# KiCad board cynthion.kicad_pcb (continued)
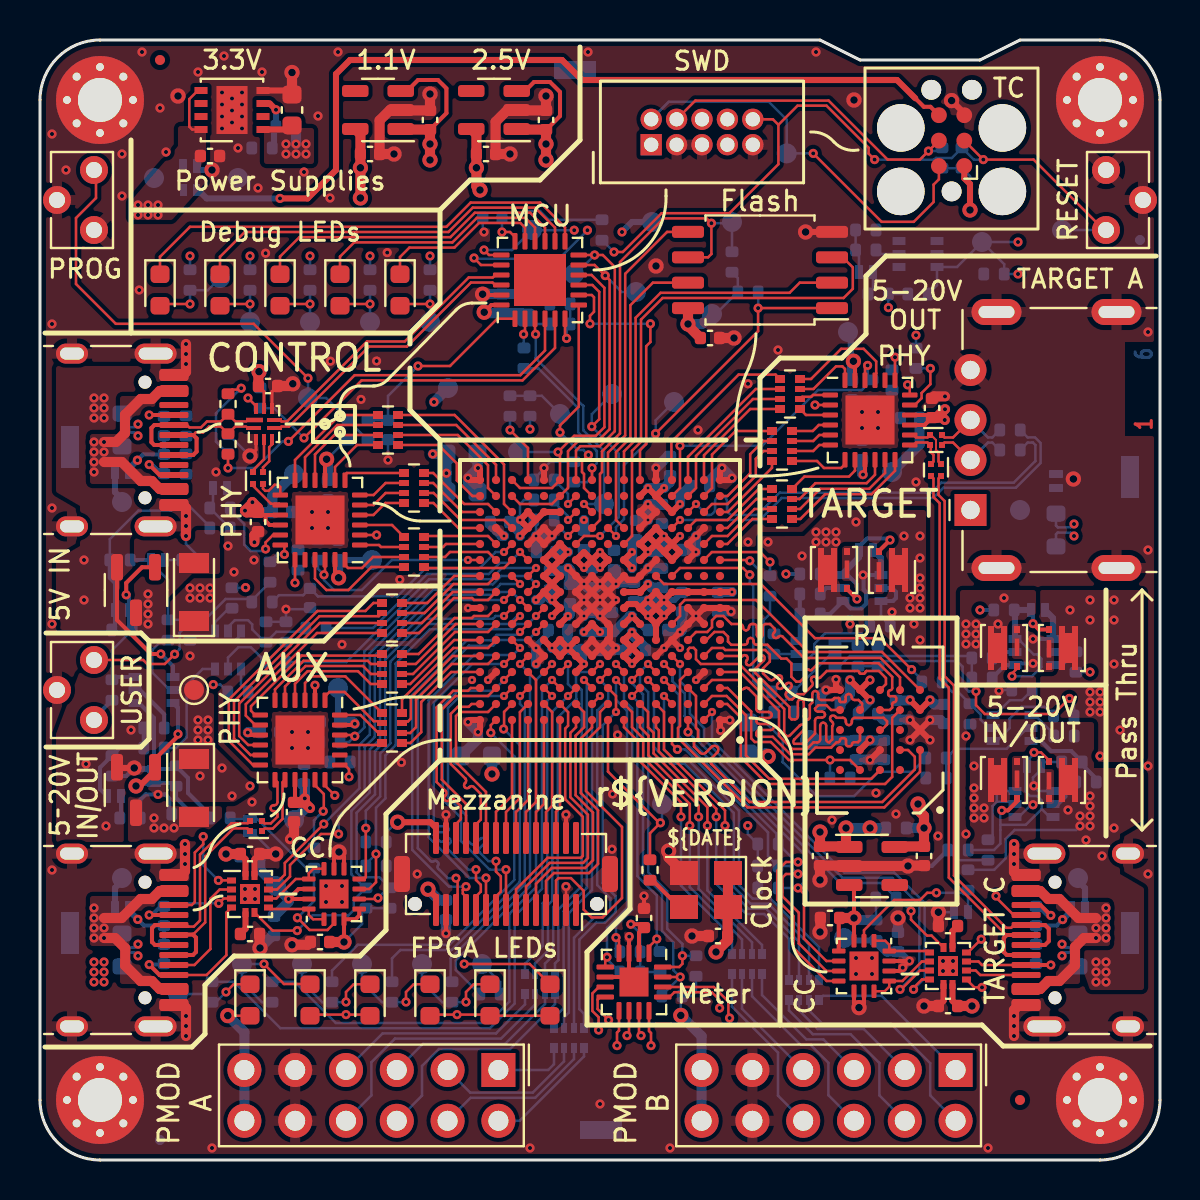
[diagram p0: board, top side]
## Routing (per net, layer and track width the routed paths; a pad name or vN(x,y) marks a point on that pad's centre or on a via; arc(x,y) is an arc through that point) (continued)
  Bottom w0.305: TP34.1 4.1,13.96 3.75,13.61 D25.1
  vias: v1(2.7,12.6) v1(2.7,12.1) v1(2.7,11.6) v1(2.7,11.1) v1(3.2,11.6)
AUX_VBUS_IN: length 11.5
  Top w0.305: v3(4.71,19.6) 3.89,19.6 Q12.2
  Bottom w0.203: R44.2 8.49,17.26 7.4,18.35 7.4,19.1 6.8,19.7 R75.1 6.64,19.55 D20.1 5.7,22.1 4.95,22.85 Q10.4 ; R74.1 4.31,19.2 v3(4.71,19.6)
  Bottom w0.305: 4.8,19.6 v3(4.71,19.6) 4.76,19.55 D20.1
  vias: v1(2.3,19.8) v1(2.7,9.9) v1(2.7,9.4) v1(2.7,8.9) v1(3.2,9.9) v1(3.2,9.4) v1(3.2,8.9) v1(3.3,16.7) v1(4.55,21.5) v1(51.5,27.5) v1(52.5,28) v1(52.5,27) v1(52.5,23.4) v1(52.5,22.9) v1(52.5,22.4) v1(53,23.4) v1(53,22.9) v1(53,22.4) v1(53,20.2) v1(53.7,28) v1(53.7,27) v1(53.7,24.8) v1(54,21.5)
CONTROL_SENSE+: length 59.9
  Top w0.127: v1(29.35,6.22) 29.45,6.32 U1.10
  In2.Cu w0.127: v1(4.9,36.21) 4.73,36.37 4.35,36.37 4.13,36.15 4.13,34.75 2.93,33.55 2.93,26.95 4.13,25.75 4.13,6.78 5.49,5.42 8.82,5.42 9.44,6.04 28.52,6.04 28.7,6.22 v1(29.35,6.22)
  Bottom w0.127: v1(4.9,36.21) 4.73,36.37 4.2,36.37 4.1,36.27 R1.2
CONTROL_SENSE-: length 60.7
  Top w0.127: v1(28.85,5.72) 28.85,6.37 28.95,6.47 U1.9
  In2.Cu w0.127: v1(4.9,36.79) 4.73,36.63 4.25,36.63 3.87,36.25 3.87,34.85 2.67,33.65 2.67,26.85 3.87,25.65 3.87,6.68 5.39,5.16 8.92,5.16 9.54,5.78 28.79,5.78 v1(28.85,5.72)
  Bottom w0.127: v1(4.9,36.79) 4.75,36.64 4.18,36.64 4.1,36.72 R1.3
CONTROL_VBUS: length 10.8
  Top w0.508: 3.2,34.9 4.09,34.9 5.04,33.95 5.59,33.95 5.99,33.55 J2.A9 ; J2.A4 5.99,38.45 5.59,38.05 5.04,38.05 4.25,37.26 4.25,36.35 3.8,35.9 v1(3.2,35.9)
  Bottom w0.305: TP16.1 4.1,33.04 3.75,33.39 D23.1
  vias: v1(2.7,35.9) v1(2.7,35.4) v1(2.7,34.9) v1(2.7,34.4) v1(3.2,35.4)
CONTROL_VBUS_IN: length 17.8
  Top w0.203: Q9.2 3.85,27 5.55,25.3 v1(6.04,25.3)
  Bottom w0.127: R67.1 3.49,31.04 4.92,32.47 6.56,32.47 6.77,32.68 7.48,32.68 8.49,31.67 R46.2
  Bottom w0.203: R67.1 3.49,29.11 3.75,28.85 D16.1 3.75,26.66 R68.1 ; v1(6.04,25.3) 6.65,24.69 Q10.1
  vias: v1(2.2,30) v1(2.2,28) v1(2.7,38.1) v1(2.7,37.6) v1(2.7,37.1) v1(3.2,38.1) v1(3.2,37.6) v1(3.2,37.1) v1(36.4,30.9) v1(38.1,30.2) v1(38.8,31.4) v1(38.8,30.9) v1(39.3,31.4) v1(39.3,30.9) v1(39.8,31.4) v1(39.8,30.9) v1(40.8,31.9)
TARGET_A_SENSE+: length 51.3
  Top w0.127: v1(30.05,6.22) 29.95,6.32 U1.11
  In2.Cu w0.127: v1(30.05,6.22) 30.7,6.22 30.88,6.04 46.97,6.04 47.55,5.46 50.54,5.46 51.56,6.48 51.56,16.13 50.71,16.98 50.71,31.4 51.04,31.73 51.63,31.73 v1(51.7,31.8)
  Bottom w0.127: R2.3 50.8,31.72 50.89,31.63 51.53,31.63 v1(51.7,31.8)
TARGET_A_SENSE-: length 51.3
  Top w0.127: v1(30.55,5.72) 30.55,6.35 30.45,6.45 U1.12
  In2.Cu w0.127: v1(51.7,31.2) 51.43,31.47 51.14,31.47 50.97,31.3 50.97,17.1 51.82,16.25 51.82,6.38 50.64,5.2 47.45,5.2 46.87,5.78 30.61,5.78 v1(30.55,5.72)
  Bottom w0.127: v1(51.7,31.2) 51.53,31.37 50.88,31.37 50.8,31.29 R2.2
TARGET_A_VBUS_IN: length 0.7
  Bottom w0.127: v1(47.95,23.46) 47.99,23.5 R49.1
  vias: v1(42.6,27.4) v1(43.2,31.2) v1(43.5,28.1) v1(43.5,27.6) v1(43.7,26.8) v1(44,31.2) v1(44,30.1) v1(44,29.1) v1(44,28.6) v1(44,28.1) v1(44,27.6) v1(44,26) v1(46.3,26.8) v1(46.3,26.3) v1(46.3,25.8) v1(46.7,19.7) v1(46.7,18.6) v1(46.7,18.1) v1(46.7,17.6) v1(46.7,17.1) v1(46.8,26.8) v1(46.8,26.3) v1(46.8,25.8) v1(47.2,17.6) v1(47.2,17.1) v1(47.9,26.8) v1(48.2,28.1)
TARGET_C_SENSE+: length 23.9
  Top w0.127: U1.13 31.48,8.15 31.72,8.39 33.59,8.39 33.98,8 v1(33.98,7.6)
  In2.Cu w0.127: v1(33.98,7.6) 34.74,7.6 35.68,6.66 46.46,6.66 50.43,10.63 50.93,10.63 v1(51.1,10.79)
  Bottom w0.127: v1(51.1,10.79) 51.27,10.63 51.8,10.63 51.9,10.73 R59.3
TARGET_C_SENSE-: length 24.3
  Top w0.127: v1(34.48,7.1) 34.42,7.16 34.42,7.92 33.69,8.65 U1.14
  In2.Cu w0.127: v1(34.48,7.1) 34.88,7.1 35.59,6.39 46.55,6.39 50.53,10.37 50.93,10.37 v1(51.1,10.21)
  Bottom w0.127: R59.2 51.9,10.29 51.82,10.37 51.27,10.37 v1(51.1,10.21)
TARGET_C_VBUS: length 10.8
  Top w0.508: 52.8,12.1 51.92,12.1 50.97,13.05 50.41,13.05 50.01,13.45 J4.A9 ; J4.A4 50.01,8.55 50.41,8.95 50.97,8.95 51.75,9.73 51.75,10.65 52.2,11.1 v1(52.8,11.1)
  Bottom w0.305: D26.1 52.25,13.6 51.9,13.95 TP40.1
  vias: v1(52.8,11.6) v1(53.3,12.6) v1(53.3,12.1) v1(53.3,11.6) v1(53.3,11.1)
TARGET_C_VBUS_IN: length 7.1
  Bottom w0.127: R45.2 47.71,14.51 48.28,15.08 48.28,16.05 48.73,16.5 51.8,16.5 v1(52,16.7)
  vias: v1(51.4,17.5) v1(52,17.2) v1(52.3,16) v1(52.5,18.2) v1(52.5,17.7) v1(52.5,17.2) v1(52.5,16.7) v1(52.8,9.9) v1(52.8,9.4) v1(52.8,8.9) v1(53.1,15.2) v1(53.3,9.9) v1(53.3,9.4) v1(53.3,8.9) v1(53.7,16.6)
Net-(D1-A):
  vias: v1(5.7,17.1) v1(5.7,16.6) v1(6.2,16.6) v1(6.7,16.6)
Net-(D2-K): length 4.1
  Top w0.127: v1(9.3,8.4) 9.69,8.79 D2.1
  Bottom w0.127: v1(9.3,8.4) 8.79,7.89 R26.1 8.19,8.3 TP43.1
Net-(D3-K): length 6.7
  Top w0.127: D3.1 13.5,8.8 12.2,8.8 v1(11.2,9.8)
  Bottom w0.127: v1(11.2,9.8) TP47.1 10.1,8.89 11.1,7.89 R27.1
Net-(D4-K): length 5.4
  Top w0.127: D4.1 15.69,8.79 15.3,8.4 v1(15.3,7.9)
  Bottom w0.127: v1(15.3,7.9) 15.29,7.89 R28.1 14.11,7.89 13.1,8.9 TP52.1
Net-(D5-K): length 5.4
  Top w0.127: v1(18.3,7.9) 18.3,8.4 18.69,8.79 D5.1
  Bottom w0.127: TP53.1 16.1,8.89 17.1,7.89 R29.1 18.29,7.89 v1(18.3,7.9)
Net-(D6-K): length 5.4
  Top w0.127: v1(21.3,7.9) 21.3,8.4 21.69,8.79 D6.1
  Bottom w0.127: TP54.1 19.1,8.9 20.11,7.89 R30.1 21.29,7.89 v1(21.3,7.9)
Net-(D7-K): length 7.5
  Top w0.127: v1(21.21,9.8) 24.49,9.8 D7.1
  Bottom w0.127: v1(21.21,9.8) TP55.1 23.01,8.89 R31.1
Net-(D8-A):
  vias: v1(5.4,28.3) v1(5.4,27.8) v1(5.4,27.3) v1(5.4,26.8)
Net-(D9-A): length 44.1
  Top w0.203: 44.94,52.24 44.53,52.66 44.19,52.66 43.76,53.09
  Top w0.305: v1(12,48.08) 13.38,48.08 14.8,49.5 14.8,54.3 15.5,55 26.1,55 27.1,54 42.85,54 43.76,53.09
  Bottom w0.305: v1(12,48.08) 8.33,48.08 7.91,48.5 D9.2
Net-(D10-A): length 4
  Top w0.127: v1(7.5,42.8) 6.17,42.8 6,42.62
  Bottom w0.127: v1(7.5,42.8) R7.2 8.39,43.49 TP31.1
Net-(D11-A): length 3.2
  Top w0.127: 9,42.62 9.17,42.8 v1(10.5,42.8)
  Bottom w0.127: TP32.1 v1(10.5,42.8) R8.2
Net-(D12-A): length 3.2
  Top w0.127: 12,42.62 12.17,42.8 v1(13.5,42.8)
  Bottom w0.127: TP38.1 v1(13.5,42.8) R9.2
Net-(D13-A): length 3.2
  Top w0.127: v1(16.5,42.8) 15.17,42.8 15,42.62
  Bottom w0.127: TP39.1 v1(16.5,42.8) R10.2
Net-(D14-A): length 3.2
  Top w0.127: 18,42.62 18.17,42.8 v1(19.5,42.8)
  Bottom w0.127: R11.2 v1(19.5,42.8) TP41.1
Net-(D16-A): length 8.4
  Top w0.203: Q9.1 5.1,29.64 4.31,28.85 v1(4.31,28.26)
  Bottom w0.127: R70.1 3.6,25.49 R68.2
  Bottom w0.203: v1(4.31,28.26) 4.45,28.12 D16.2 4.45,26.66 R68.2 ; Q10.6 3.74,24.15 R70.1
Net-(D17-A): length 0.8
  Bottom w0.127: D17.2 R73.1
Net-(D17-K): length 5.5
  Bottom w0.127: D17.1 5.55,29.86 6.4,29.01 R47.2 R69.1
  Bottom w0.203: R67.2 D17.1
Net-(D20-A): length 9.1
  Top w0.203: Q12.1 5.75,20.05 6.9,21.2 v1(6.9,21.3)
  Top w0.305: Q12.1 5.75,19.46 4.99,18.7 v3(4.8,18.7)
  Bottom w0.203: D20.2 6.64,18.85 R75.2 6.8,18.11 R77.1 ; Q10.3 6.9,22.6 v1(6.9,21.3)
  Bottom w0.305: v3(4.8,18.7) 4.95,18.85 D20.2
Net-(D21-A): length 1.1
  Bottom w0.203: D21.2 4.05,17.16 R80.1
Net-(D21-K): length 5.2
  Bottom w0.203: R48.2 R76.1 3.98,20.6 R74.2 3,19.62 3,18.55 D21.1
Net-(D27-A): length 7.8
  Top w0.203: v1(42.5,31) 41.95,30.45 Q2.3 ; v1(40.85,28.05) 40.35,28.55 Q1.3
  Bottom w0.203: v1(40.85,28.05) 40.85,28.78 40.38,29.25 Q13.6 39.06,29.25 R90.2 ; D27.2 40.95,30.67 41.36,31.08 42.42,31.08 v1(42.5,31)
  Bottom w0.305: D27.2 40.95,30.13 40.15,29.33 Q13.6
Net-(D27-K): length 6.7
  Bottom w0.203: Q13.1 v1(41.15,29.25) 41.18,29.22 41.18,28.52 41.31,28.39 41.31,27.82 41.07,27.58 40.52,27.58 Q13.4 39.5,27.3 38.99,27.3
  Bottom w0.305: D27.1 42.05,30.1 Q13.1
Net-(D28-A): length 8.3
  Top w0.127: Q5.3 48.85,24.57 48.6,24.32 v1(48.6,24.19)
  Top w0.203: v1(49.65,26.82) 49.94,26.53 Q4.3
  Bottom w0.127: Q14.6 48.91,26.05 49.68,25.28 49.85,25.28 50.07,25.06 50.07,24.65 49.61,24.19 v1(48.6,24.19)
  Bottom w0.203: D28.2 49.65,27.4 v1(49.65,26.82)
  Bottom w0.305: D28.2 R94.2 48.75,27.46 Q14.6
Net-(D28-K): length 5
  Bottom w0.203: Q14.1 v1(49.65,26.05) ; R60.1 48.26,24.75 Q14.4 48.83,24.83 v1(49.65,24.83)
  Bottom w0.305: Q14.1 50.65,27.1 D28.1
Net-(D29-A): length 12.2
  Top w0.127: Q7.3 50.45,19.98 50.05,20.38 v1(49.7,20.38)
  Top w0.203: Q6.3 48.85,17.93 48.4,17.48 v1(48.09,17.48)
  Bottom w0.127: 48.02,16.76 49.29,16.76 50.08,17.55 ; 48.02,16.76 48.02,17.41 v1(48.09,17.48) ; 48.02,16.76 48.02,15.82 47.7,15.5 R96.2 ; 50.08,17.55 50.48,17.15 Q15.6 ; 50.08,17.55 50.08,17.98 49.86,18.2 49.5,18.2 49.27,18.43 49.27,19.62 D29.2 49.35,19.95 49.7,20.3 v1(49.7,20.38)
Net-(D29-K): length 4.5
  Bottom w0.127: R61.1 50.25,19.9 D29.1 50.05,19.52 49.65,19.12 49.65,18.71 49.91,18.45 Q15.4 ; Q15.1 48.94,17.15 49.55,17.76 v1(49.65,17.76)
  vias: v1(49.69,18.71)
Net-(D30-A): length 2.2
  Bottom w0.127: D30.2 40.95,45.33 R50.1 R51.1
Net-(D30-K): length 1.2
  Bottom w0.127: D30.1 41.65,43.55 R4.2
Net-(Q3A-B1): length 4.3
  Bottom w0.127: R41.1 37.61,23.32 R40.1 37.65,23.4 39.55,25.3 Q3.2
Net-(Q3A-C1): length 2.4
  Bottom w0.203: R62.1 R3.2 37.99,26.09 Q3.6
Net-(Q3A-E1): length 1.2
  Bottom w0.127: Q3.1 40.66,25.95 R112.1
Net-(Q3B-B2): length 4.4
  Bottom w0.127: Q3.5 36.71,25.3 R64.1 36.19,25.8 36.19,27.01 36.5,27.32 R63.1
Net-(Q3B-C2): length 8.1
  Bottom w0.127: R60.2 R92.1 46.49,25.2 40.49,25.2 39.94,24.65 Q3.3
Net-(Q3B-E2): length 5.3
  Bottom w0.127: R115.1 41.7,25.71 41.07,26.34 39.26,26.34 38.72,25.8 38.72,25.35 38.02,24.65 Q3.4
Net-(Q8A-B1): length 3.6
  Bottom w0.127: R65.1 45.61,23.4 45.91,23.4 R66.1 47.03,22.28 47.03,22.02 47.45,21.6 Q8.2
Net-(Q8A-C1): length 4.3
  Bottom w0.203: Q8.6 50.05,20.95 50.55,20.45 51.56,20.45 R61.2 52.11,19.76 52.81,19.06 R93.1
Net-(Q8A-E1): length 4.2
  Bottom w0.127: R114.1 50.22,22.66 49.08,22.66 48.48,22.06 48.48,21.59 47.84,20.95 Q8.1
Net-(Q8B-B2): length 5.9
  Bottom w0.127: R89.1 R88.1 45.77,20.56 48.33,20.56 49.37,21.6 Q8.5
Net-(Q8B-C2): length 2.5
  Bottom w0.127: R49.2 49.1,22.99 48.49,22.99 47.75,22.25 Q8.3
Net-(Q8B-E2): length 1.6
  Bottom w0.127: Q8.4 49.74,22.25 50.69,21.3 R103.1
Net-(Q10A-B1): length 3.5
  Bottom w0.127: Q10.2 6.49,23.5 5.61,24.38 5.61,25.5 5.95,25.84 6.25,25.84 R47.1
Net-(Q10B-B2): length 2.7
  Bottom w0.203: R48.1 6.21,22.29 5,23.5 Q10.5
Net-(Q11A-B1): length 4.4
  Bottom w0.127: Q11.2 9.4,25.12 9.92,25.64 10.54,25.64 R71.1 11.31,24.9 R72.1
Net-(Q11A-C1): length 2.9
  Bottom w0.127: Q11.6 10.05,26.27 9.69,25.91 7.58,25.91 R69.2
Net-(Q11A-E1): length 1.3
  Bottom w0.127: Q11.1 10.05,23.76 R113.1
Net-(Q11B-B2): length 5.1
  Bottom w0.127: Q11.5 9.4,26.65 9.74,26.99 10.4,26.99 10.61,26.78 10.61,26.53 11.25,25.89 R79.1 11.82,26.41 13.1,26.41 R78.1
Net-(Q11B-C2): length 5.7
  Bottom w0.127: Q11.3 8.13,24.55 7.33,23.75 7.33,21.13 6.8,20.6 R76.2
Net-(Q11B-E2): length 1.6
  Bottom w0.127: R116.1 9.45,27.59 8.75,26.89 Q11.4
Net-(Q13A-B1): length 3.4
  Bottom w0.127: Q13.3 42.05,27.16 R91.2
  Bottom w0.203: Q13.3 42.65,27.95 42.8,28.1 42.8,28.4 42.6,28.6 Q13.2
Net-(Q13B-B2): length 1.3
  Bottom w0.203: R62.2 39.31,28.6 Q13.5
Net-(Q14A-B1): length 2.6
  Bottom w0.127: Q14.2 51.79,25.4 R95.2 51.14,24.75 Q14.3
Net-(Q14B-B2): length 1.3
  Bottom w0.203: Q14.5 47.91,25.4 R92.2
Net-(Q15A-B1): length 4.4
  Bottom w0.127: Q15.2 48.64,17.91 47.84,17.91 ; R120.2 47.63,16.24 47.63,17.7 47.84,17.91 ; 47.84,17.91 47.84,18.27 48.02,18.45 Q15.3
Net-(Q15B-B2): length 1.7
  Bottom w0.203: R93.2 51.27,18.38 51.27,18.17 50.9,17.8 Q15.5
Net-(Q16A-B1): length 1.2
  Bottom w0.127: R50.2 42,45.3 Q16.2
Net-(R101-Pad2): length 24.5
  Top w0.127: v1(13.4,39.09) 10.68,41.81 3.79,41.81 1.8,43.8 1.8,47.1 2.8,48.1 2.8,49.5
  Bottom w0.127: v1(13.4,39.09) TP15.1 14.31,38.1 R101.2 15.4,36.99 R104.2
Net-(R106-Pad2): length 11.4
  Top w0.127: v1(6.73,25.29) 6.24,24.8 5.36,24.8 5.16,25 SW3.1
  Bottom w0.127: v1(6.73,25.29) 6.98,25.54 6.98,26.36 7.13,26.51 8.07,26.51 8.34,26.78 8.34,27.11 9.28,28.05 10.44,28.05 R107.2 10.59,27.98 R106.2
Net-(U3-ADJ/NC): length 2.8
  Top w0.305: v1(11.8,52.51) 11.48,52.83 U3.3
  Bottom w0.305: v1(11.8,52.51) 11.8,51.69 R81.2 11.7,51.58 11.7,50.69 R82.1
Net-(U6-PA03): length 1.5
  Top w0.127: v1(24.18,41.29) 24.25,41.36 U6.2
  Bottom w0.127: R118.2 24.18,40.62 v1(24.18,41.29)
Net-(U6-PA07): length 2.8
  Top w0.127: U6.6 26.25,41.16 v1(26.33,41.08)
  Bottom w0.127: v1(26.33,41.08) 26.33,41.62 R52.2 R53.1
Net-(U6-PA28/~{RST}): length 7
  Top w0.127: U6.18 23.75,46.15 23.5,46.4 v1(23.1,46.4)
  Bottom w0.127: R105.2 25.44,47.01 25,47.45 24.21,47.45 23.86,47.1 C77.1 v1(23.1,46.4)
Net-(U13-CB): length 1.2
  Top w0.305: C57.1 45.62,11.44 U13.5
Net-(U14-CB): length 1.2
  Top w0.305: U14.5 10.28,11.56 C63.1
Net-(U16-1D+): length 1.8
  Top w0.127: U16.5 11.6,35.78 11.46,35.64 11.46,34.94 11.15,34.63 FL3.4
Net-(U16-1D-): length 1.9
  Top w0.127: FL3.2 10.65,34.49 11.2,35.04 U16.4
Net-(Y1-OUT): length 2.3
  Top w0.203: R108.2 30.62,13.99 31.96,12.65 Y1.3

## Copper pours and planes (outline as drawn; the poured copper is in the pictures)
+1V1 on Bottom: 29.3,29.1 26.6,29.1 26.6,31.1 29.3,31.1
+1V1 on In3.Cu: 21.6,50.1 30.1,31.4 31.5,12.9 14.3,16.4 11.7,36.5 15.7,50
+2V5 on In3.Cu: 39,28.6 30,28.1 28.2,26.7 26.6,26.7 26.2,27.1 26.2,28.4 27,29.3 28.4,29.3 28.4,30.6 21.3,49.2 21.6,50.1 33.9,44.5
+3V3 on Top: 13.7,49.8 11.2,49.8 11.2,51.6 13.7,51.6
+3V3 on In2.Cu: 7.8,20.3 6.8,44.4 6.8,52 9,54.2 36.4,54.2 37.2,53.5 43.2,53.5 44.4,52.3 46.7,52.3 47.7,50.5 47.7,41.5 50.3,38.9 50.3,18.2 47.9,15.8 47.9,8.3 45.8,6.2 9.7,6.2 7.8,8.1
+5V on Top: 8.3,51.7 8.3,48.9 6.6,47 4.5,47 4.5,47.9 6.9,50.7 6.9,51.7
+5V on Top: 11,25.6 8.7,23.6 8.7,20.7 10.8,18.6 9.7,17.9 6.5,17.9 6.5,31.5 11,31.5
+5V on Bottom: 11.6,17.5 6.1,17.5 6.1,29.9 7.8,31.3 9.9,31.3 11.6,29.6
+5V on Bottom: 7.3,49.8 7.3,48.2 6.7,47 4.5,47 4.5,47.5 5.4,49.8
+5V on In2.Cu: 6.5,49 6.5,44.5 10.1,44.5 10.1,18.5 4,18.5 4,26 2.7,27.3 2.7,49
+5V on In3.Cu: 15.1,38.5 15.1,19.1 0.5,19.1 0.5,38.5
GND on Top, Bottom: 58,-2 -2,-2 -2,58 58,58
GND on Bottom: 15.3,30.7 12.7,30.7 12.7,33.3 15.3,33.3
GND on Bottom: 14.3,22.3 14.3,19.7 11.7,19.7 11.7,22.3
GND on Bottom: 15.5,12.5 13.9,12.5 13.9,14.1 15.5,14.1
GND on Bottom: 11.1,12.7 9.9,12.7 9.9,13.9 11.1,13.9
GND on Bottom: 42.8,35.7 40.2,35.7 40.2,38.3 42.8,38.3
GND on Bottom: 46,9.1 44.8,9.1 44.8,10.3 46,10.3
GND on Bottom: 42,8.9 40.4,8.9 40.4,10.5 42,10.5
GND on In1.Cu, In4.Cu: -1.5,57.5 57.5,57.5 57.5,-1.5 -1.5,-1.5
GND on In2.Cu: 57,-1 -1,-1 -1,57 57,57
VCCRAM on In3.Cu: 38.4,30.4 44.8,29.7 44.8,16.2 31.3,12.9 30.1,28.1
/TARGET Port/TARGET Type C Controller/VCONN on Top, Bottom: 43.9,9.2 42.7,9.2 42.7,10.3 43.9,10.3
AUX_VBUS on Top: 7,8.8 4,8.8 4,10.7 2.5,10.7 2.5,13.2 7,13.2
AUX_VBUS on Bottom: 4.6,10.9 2.5,10.9 2.5,13 4.6,13
AUX_VBUS_IN on Top: 55.2,19.9 49.3,19.9 49.3,28.5 55.2,28.5
AUX_VBUS_IN on Top: 6.3,15.9 0.8,15.9 0.8,21.3 2.2,25 6.3,25
AUX_VBUS_IN on Bottom: 4.6,8.6 2.5,8.6 2.5,10.1 4.6,10.1
AUX_VBUS_IN on Bottom: 54,20 49.8,20 49.8,28.5 54,28.5
AUX_VBUS_IN on Bottom: 6,16.3 2.5,16.3 2,16.8 2,22.7 6,22.7
AUX_VBUS_IN on In3.Cu: 55.5,0.5 0.5,0.5 0.5,20.5 16,20.5 47.5,28.5 55.5,28.5
CONTROL_VBUS on Top: 7,33.8 2.5,33.8 2.5,36.3 4,36.3 4,38.2 7,38.2
CONTROL_VBUS on Bottom: 4.6,34 2.5,34 2.5,36.1 4.6,36.1
CONTROL_VBUS_IN on Top: 42.4,26.1 36,26.1 36,31.19 38.2,31.2 39.5,32.5 42.4,32.5
CONTROL_VBUS_IN on Top: 5.3,39.7 5.3,26.5 0.8,26.5 0.8,30 2,30.7 2,32.7 0.8,33.4 0.8,39.7
CONTROL_VBUS_IN on Bottom: 4.6,36.9 2.5,36.9 2.5,38.4 4.6,38.4
CONTROL_VBUS_IN on Bottom: 5,25.91 2,25.91 2,31 5,31
CONTROL_VBUS_IN on Bottom: 42.9,29.5 35.7,29.5 35.7,33 42.9,33
CONTROL_VBUS_IN on In3.Cu: 39,55.5 41,54.5 47,54.5 49,55.5 55.5,55.5 55.5,28.7 38.6,28.7 13.5,36.5 0.5,36.5 0.5,55.5
TARGET_A_VBUS on Bottom: 51.4,32 46.5,32 46.5,33.5 51.4,33.5
TARGET_A_VBUS_IN on Top: 44.3,24.7 41.4,24.7 41.4,32.5 44.3,32.5
TARGET_A_VBUS_IN on Top: 49.8,28.5 49.8,22.4 46.5,22.4 46.5,24 46,24.5 46,28.5
TARGET_A_VBUS_IN on Top: 46.5,22.1 49.8,22.1 49.8,15.3 46.5,15.3
TARGET_A_VBUS_IN on Bottom: 50.3,31 50.9,31 50.9,30 48.2,24.7 42.3,24.7 42.3,33.4 50.3,33.4
TARGET_A_VBUS_IN on Bottom: 49.3,18.3 46.8,15.8 44.6,15.8 44.6,20.7 49.3,20.7
TARGET_A_VBUS_IN on In3.Cu: 48.5,28.5 48.5,19.5 47.5,17 45,17 45,28.5
TARGET_C_VBUS on Top: 53.5,10.7 52,10.7 52,8.8 50.8,8.8 50.8,12.9 53.5,12.9
TARGET_C_VBUS on Bottom: 53.5,10.9 51.4,10.9 51.4,13 53.5,13
TARGET_C_VBUS_IN on Top: 52.7,19.6 55.2,19.6 55.2,17 54,16.3 54,14.3 55.2,13.6 55.2,8.5 52.5,8.5 50,15.7 50,21.9 52.7,21.9
TARGET_C_VBUS_IN on Bottom: 54,15 48.6,15 48.6,20.1 54,20.1
TARGET_C_VBUS_IN on Bottom: 53.5,8.5 52.3,8.5 51.5,9.35 51.9,10.2 53.5,10.2
Net-(D1-A) on Top, Bottom: 9.1,17.1 7.9,16 4.4,15.9 4.4,18.3 9.1,18.3
Net-(D8-A) on Top: 9,29.3 7.6,29.3 6.3,28 6.3,25.5 4.7,25.5 4.7,31.5 9,31.5
Net-(D8-A) on Bottom: 6.3,24.4 4,24.4 4,29.7 6.3,29.7
Net-(D27-K) on Top: 42.2,28.3 40.1,28.3 40.1,30.7 42.2,30.7
Net-(D28-K) on Top: 50.7,24.4 48.6,24.4 48.6,26.8 50.7,26.8
Net-(D29-K) on Top: 50.7,17.8 48.6,17.8 48.6,20.2 50.7,20.2

## Text on the board
Bottom: 6
B.Silkscreen: 1-4 | 7-10 | USER | PROGRAM | RESET | AUX | CONTROL | TARGET A | TARGET C | +5V | GND | PMOD A | 1V1 | powered by LUNA | 2V5 | CLK | 3V3 | PMOD B
User.Comments: Bank 3 | Bank 1 | Bank 0 | Bank 6 | Bank 2 | Bank 8 | Bank 7
User.Drawings1: front component bodies, excluding connectors and buttons: / maximum height: 2.5 mm / maximum LED height: 0.6 mm / minimum distance from board edge: 1.5 mm / minimum distance from mounting hole centers: 3 mm | back component bodies, excluding connectors and buttons: / maximum height: 1.5 mm / minimum distance from board edge: 3 mm / minimum distance from mounting hole centers: 3 mm | mounting holes: / 4x ø2.2 mm (M2) | corner radius: / 3.0 mm | 5x LEDs | 6x LEDs | mezzanine area / front height clearance from PCB: 7.0 mm | 1.0 mm indent
Top: 1
F.Fab: order of copper layers: / Copper 1: F.Cu (front) / Copper 2: In1.Cu / Copper 3: In2.Cu / Copper 4: In3.Cu / Copper 5: In4.Cu / Copper 6: B.Cu (back) / PCB description: 6 layer PCB 1.6 mm / Copper 1: 0.035 mm / Dielectric 1-2: 3313 prepreg 0.0994 mm / Copper 2: 0.0152 mm / Dielectric 2-3: 0.55 mm / Copper 3: 0.0152 mm / Dielectric 3-4: 2116 prepreg 0.1088 mm / Copper 4: 0.0152 mm / Dielectric 4-5: 0.55 mm / Copper 5: 0.0152 mm / Dielectric 5-6: 3313 prepreg 0.0994 mm / Copper 6: 0.035 mm / 3313 prepreg substrate with Er=4.05 / required differential microstrip impedance: / 5 mil trace, 5 mil space: 90 ohm (±10%) / two sided solder mask / two sided silkscreen / two sided assembly / 0.1 mm minimum trace width / 0.1 mm minimum isolation / 0.15 mm minimum drill / 0.2 mm board edge routing tolerance
F.Silkscreen: ${DATE} | PROG | 3.3V | Power Supplies | Debug LEDs | CC | 1.1V | Mezzanine | 2.5V | SWD | Meter | RAM | PHY | OUT | 5-20V | TC | IN/OUT | TARGET A | 5V IN | 20V | 5 | IN | USER | Clock | TARGET C | RESET | FPGA LEDs | Pass Thru | MCU | Flash | PMOD / A | PMOD / B | r${VERSION} | AUX | CONTROL | TARGET
In1.Cu: 2
In2.Cu: 3
In3.Cu: 4
In4.Cu: 5
User.Drawings2: 6x landing pads for spring contacts / distance from back side of PCB: 1.5 mm
